# Allegro board meta_carrier_lay_rev1.brd (continued)
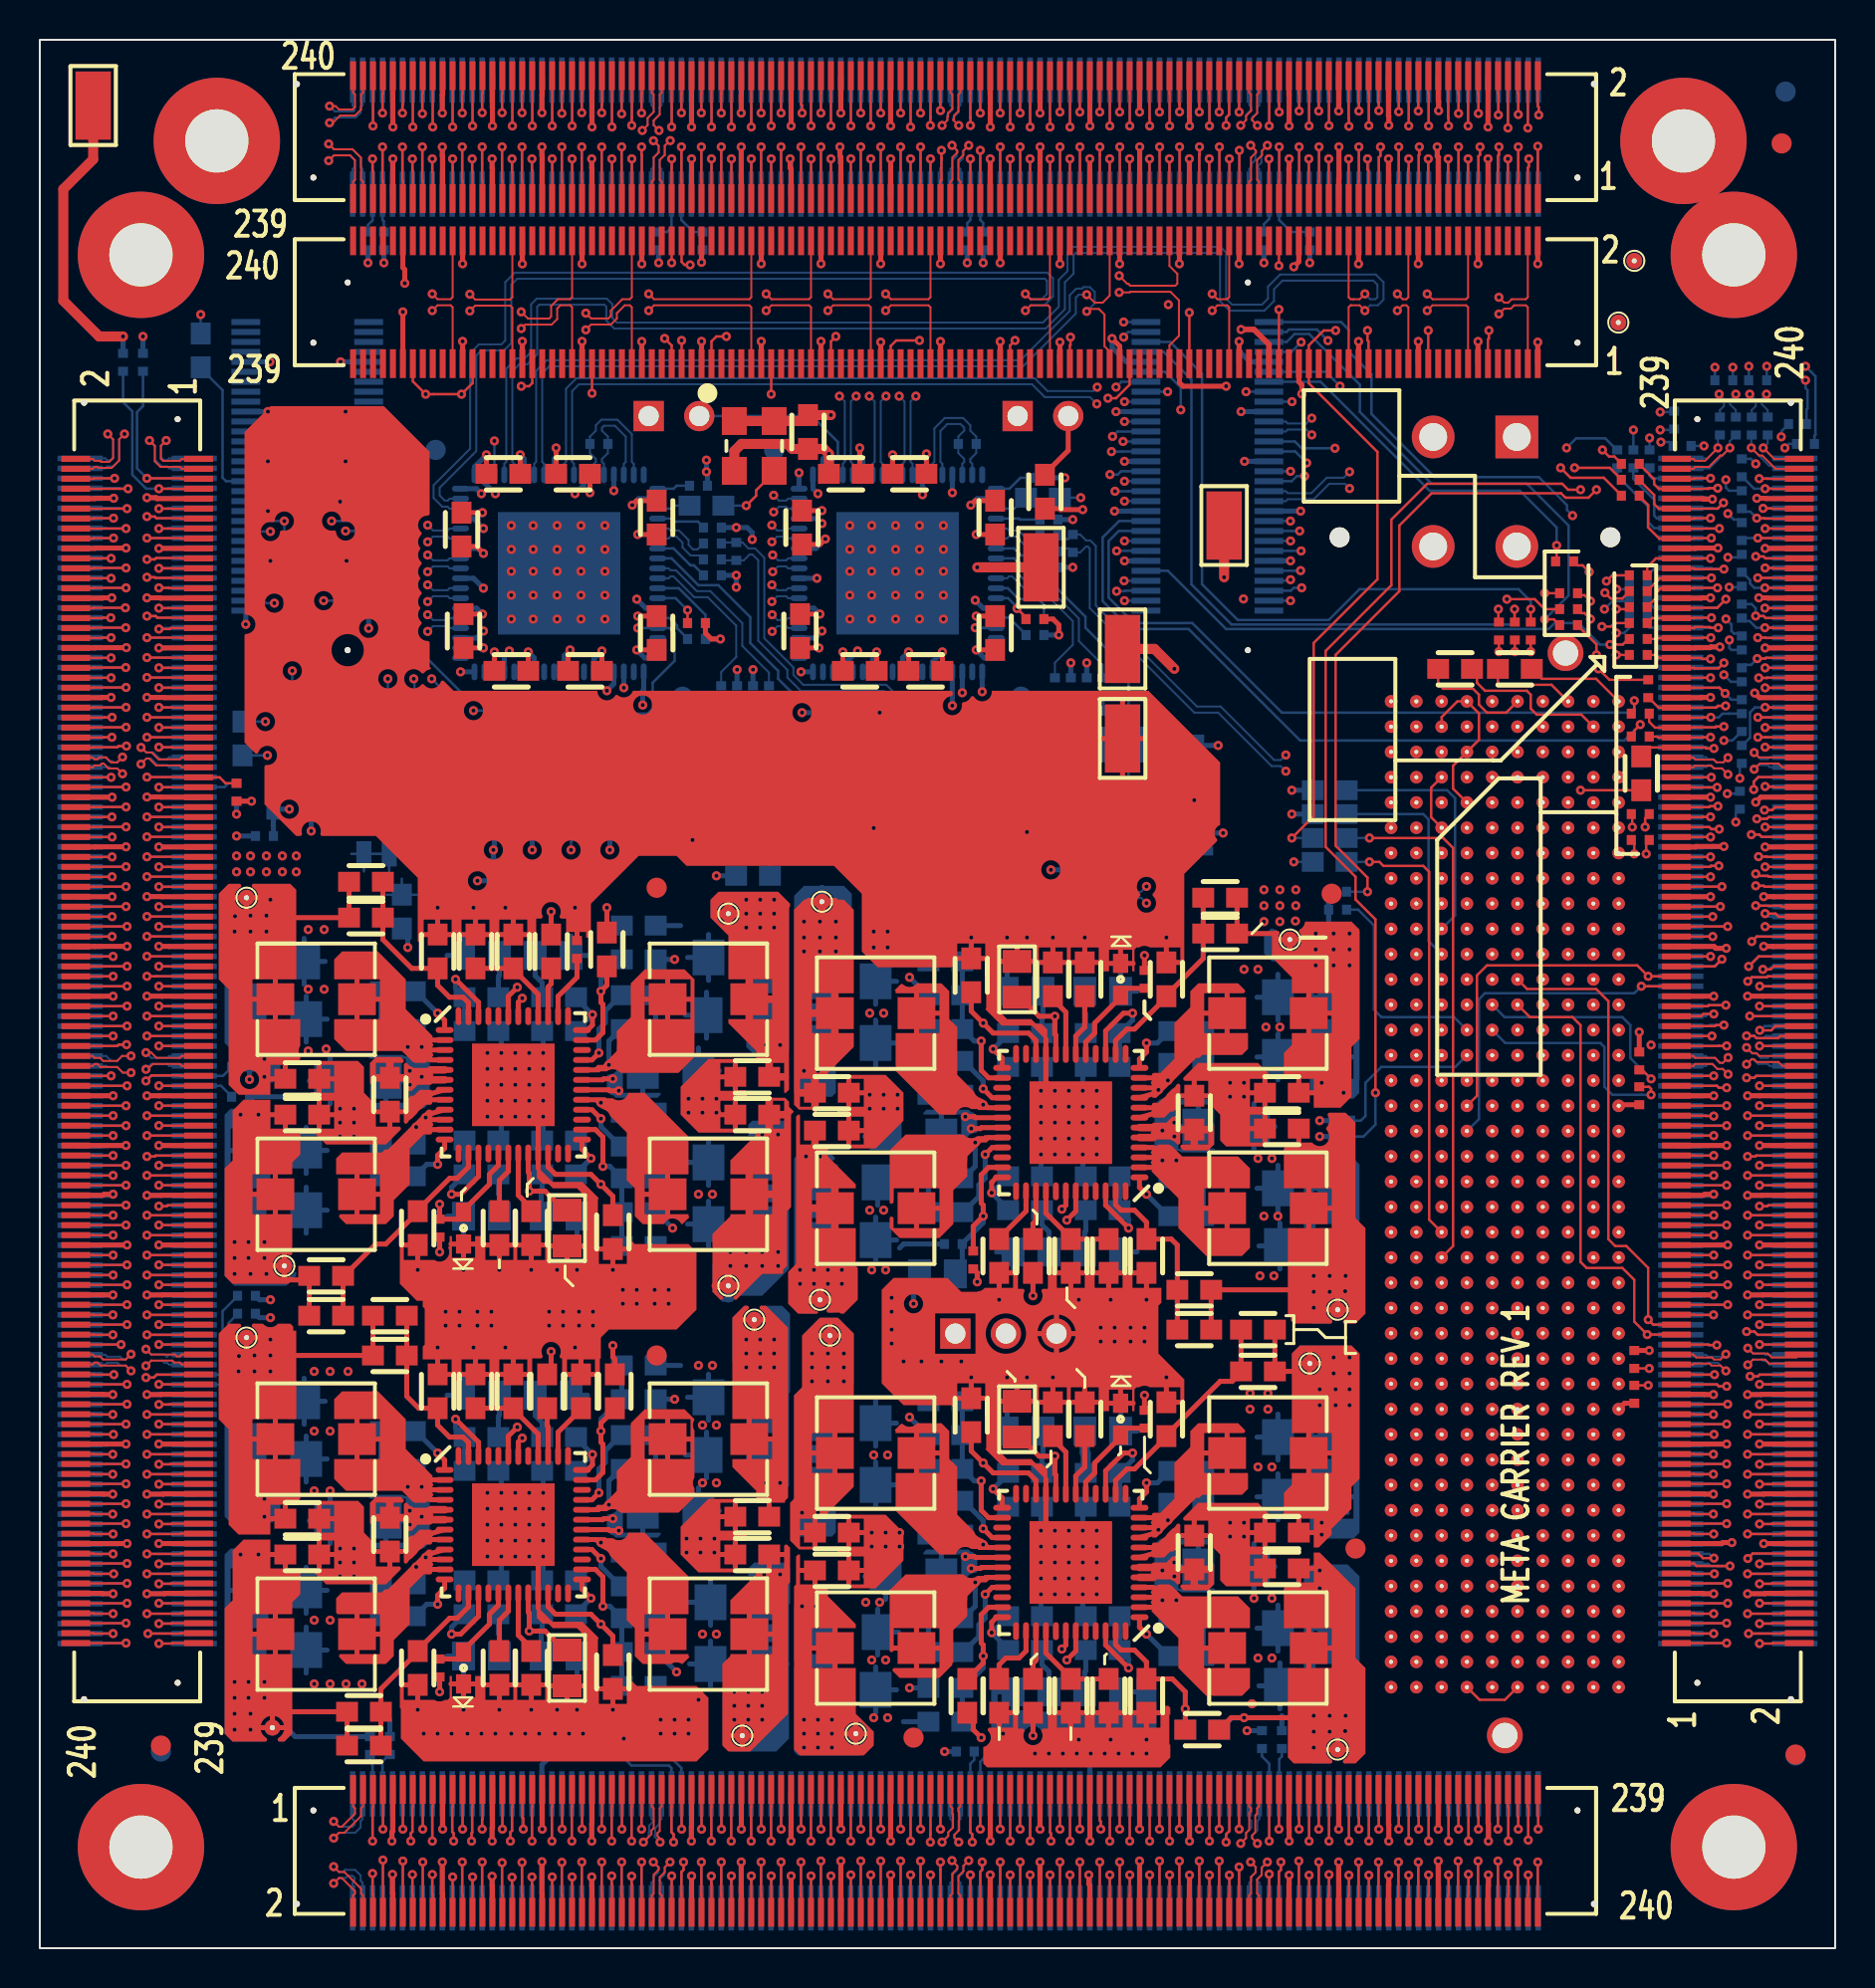
[diagram p0: board, top side]
## Routing (per net, layer and track width the routed paths; a pad name or vN(x,y) marks a point on that pad's centre or on a via; arc(x,y) is an arc through that point) (continued)
SO_DATA_OUT_P14: length 3.5
  TOP w0.127: J5.114 v1(43.73,3.68)
  BOTTOM w0.127: J12.114 43.73,3.33 43.73,3.33 v1(43.73,3.68)
SO_DATA_OUT_P15: length 3.5
  TOP w0.127: J5.118 v1(44.73,3.68)
  BOTTOM w0.127: J12.118 44.73,3.33 44.73,3.33 v1(44.73,3.68)
SO_DATA_OUT_P16: length 4.8
  TOP w0.127: J5.144 v1(51.23,4.33)
  BOTTOM w0.127: v1(51.23,4.33) 51.23,3.33 51.24,3.33 J12.144
SO_DATA_OUT_P17: length 4.8
  TOP w0.127: J5.148 v1(52.23,4.33)
  BOTTOM w0.127: J12.148 52.24,3.33 52.23,3.33 v1(52.23,4.33)
SO_DATA_OUT_P18: length 3.5
  TOP w0.127: J5.154 53.73,2.69 53.74,2.7 v1(53.74,3.68)
  BOTTOM w0.127: J12.154 v1(53.74,3.68)
SO_DATA_OUT_P19: length 3.5
  TOP w0.127: v1(54.74,3.68) 54.74,2.7 54.73,2.69 J5.158
  BOTTOM w0.127: J12.158 v1(54.74,3.68)
SO_DATA_OUT_P20: length 4.9
  TOP w0.127: J5.164 v1(56.23,4.38)
  BOTTOM w0.127: J12.164 56.24,3.33 56.23,3.33 v1(56.23,4.38)
SO_DATA_OUT_P21: length 4.9
  TOP w0.127: J5.168 v1(57.23,4.38)
  BOTTOM w0.127: v1(57.23,4.38) 57.23,3.33 57.24,3.33 J12.168
SO_DATA_OUT_P22: length 3.5
  TOP w0.127: J5.174 58.73,2.69 58.74,2.7 v1(58.74,3.67)
  BOTTOM w0.127: J12.174 v1(58.74,3.67)
SO_DATA_OUT_P23: length 3.5
  TOP w0.127: v1(59.74,3.67) 59.74,2.7 59.73,2.69 J5.178
  BOTTOM w0.127: J12.178 v1(59.74,3.67)
SO_DATA_OUT_P24: length 4.8
  TOP w0.127: J5.204 v1(66.23,4.33)
  BOTTOM w0.127: J12.204 66.25,3.33 66.23,3.34 v1(66.23,4.33)
SO_DATA_OUT_P25: length 4.8
  TOP w0.127: J5.208 v1(67.23,4.33)
  BOTTOM w0.127: J12.208 67.25,3.33 67.23,3.34 v1(67.23,4.33)
SO_DATA_OUT_P26: length 3.5
  TOP w0.127: v1(68.75,3.66) 68.75,2.71 68.73,2.69 J5.214
  BOTTOM w0.127: J12.214 v1(68.75,3.66)
SO_DATA_OUT_P27: length 3.5
  TOP w0.127: 69.73,1.8 69.73,2.69 69.75,2.71 v1(69.75,3.68)
  BOTTOM w0.127: J12.218 v1(69.75,3.68)
SO_DATA_OUT_P28: length 4.9
  TOP w0.127: J5.224 v1(71.23,4.38)
  BOTTOM w0.127: v1(71.23,4.38) 71.23,3.35 71.25,3.33 J12.224
SO_DATA_OUT_P29: length 4.9
  TOP w0.127: J5.228 v1(72.23,4.38)
  BOTTOM w0.127: v1(72.23,4.38) 72.23,3.35 72.25,3.33 J12.228
SO_DATA_OUT_P30: length 3.5
  TOP w0.127: J5.234 73.73,2.69 73.75,2.71 v1(73.75,3.68)
  BOTTOM w0.127: J12.234 v1(73.75,3.68)
SO_DATA_OUT_P31: length 3.5
  TOP w0.127: J5.238 74.73,2.69 74.75,2.71 v1(74.75,3.68)
  BOTTOM w0.127: J12.238 v1(74.75,3.68)
SO_FRAME_IN_N0: length 7
  TOP w0.127: J5.5 16.73,7.09 16.71,7.07 v1(16.71,5.38)
  BOTTOM w0.127: R132.1 16.58,9.34 16.71,9.21 J12.5 v1(16.71,5.38)
SO_FRAME_IN_N1: length 9.2
  TOP w0.127: v1(31.83,5.33) 31.83,5.72 31.72,5.83 31.72,7.08 31.73,7.09 J5.65
  BOTTOM w0.127: v1(31.83,5.33) 31.83,5.72 31.72,5.83 J12.65 31.72,9.05 31.6,9.18 29.71,9.18 29.23,9.66 R112.1
SO_FRAME_IN_N2: length 7.4
  TOP w0.127: J5.125 46.73,5.82 46.83,5.72 v1(46.83,5.33)
  BOTTOM w0.127: v1(46.83,5.33) 46.83,5.72 46.73,5.82 J12.125 46.73,9.27 46.93,9.47 R78.1
SO_FRAME_IN_N3: length 7.4
  TOP w0.127: J5.185 61.73,7.09 61.75,7.08 v1(61.75,5.38)
  BOTTOM w0.127: v1(61.75,5.38) J12.185 61.75,9.27 61.38,9.64 R53.1
SO_FRAME_IN_P0: length 5.9
  TOP w0.127: J5.7 v1(17.23,5.98)
  BOTTOM w0.127: v1(17.23,5.98) 17.23,6.43 17.21,6.45 J12.7 17.21,9.36 17.21,9.36 17.21,9.38 17.56,9.73 R130.2
SO_FRAME_IN_P1: length 7.6
  TOP w0.127: J5.67 v1(32.23,5.98)
  BOTTOM w0.127: R111.2 31.65,9.63 32.22,9.05 J12.67 32.22,6.45 32.23,6.44 v1(32.23,5.98)
SO_FRAME_IN_P2: length 6.1
  TOP w0.127: v1(47.23,5.98) J5.127
  BOTTOM w0.127: v1(47.23,5.98) 47.23,6.45 47.23,6.45 J12.127 47.23,9.36 47.73,9.86 R74.2
SO_FRAME_IN_P3: length 6.1
  TOP w0.127: J5.187 v1(62.23,5.98)
  BOTTOM w0.127: v1(62.23,5.98) 62.23,6.44 62.25,6.45 J12.187 62.25,9.5 62.38,9.64 R51.2
SO_FRAME_OUT_N0: length 3.7
  TOP w0.127: J5.6 16.73,2.69 16.71,2.71 v1(16.71,3.75)
  BOTTOM w0.127: J12.6 v1(16.71,3.75)
SO_FRAME_OUT_N1: length 3.4
  TOP w0.127: J5.66 v1(31.73,3.63)
  BOTTOM w0.127: J12.66 31.72,3.33 31.73,3.34 v1(31.73,3.63)
SO_FRAME_OUT_N2: length 3.5
  TOP w0.127: J5.126 v1(46.73,3.68)
  BOTTOM w0.127: J12.126 46.73,3.33 46.73,3.33 v1(46.73,3.68)
SO_FRAME_OUT_N3: length 3.6
  TOP w0.127: v1(61.75,3.72) 61.75,2.7 61.73,2.69 J5.186
  BOTTOM w0.127: J12.186 v1(61.75,3.72)
SO_FRAME_OUT_P0: length 5
  TOP w0.127: v1(17.23,4.43) J5.8
  BOTTOM w0.127: v1(17.23,4.43) 17.23,4.04 17.21,4.01 J12.8
SO_FRAME_OUT_P1: length 4.9
  TOP w0.127: J5.68 32.23,2.69 32.22,2.7 32.22,3.83 32.33,3.94 v1(32.33,4.33)
  BOTTOM w0.127: v1(32.33,4.33) 32.33,3.94 32.22,3.83 J12.68
SO_FRAME_OUT_P2: length 4.9
  TOP w0.127: v1(47.33,4.33) 47.33,3.94 47.23,3.84 J5.128
  BOTTOM w0.127: v1(47.33,4.33) 47.33,3.94 47.23,3.84 J12.128
SO_FRAME_OUT_P3: length 4.9
  TOP w0.127: J5.188 62.23,3.84 62.33,3.94 v1(62.33,4.33)
  BOTTOM w0.127: J12.188 62.25,3.33 62.23,3.34 62.23,3.84 62.33,3.94 v1(62.33,4.33)
SO_LCLK_IN_N0: length 5.5
  TOP w0.102: v1(14.76,6.37) 15.03,6.1 15.17,6.1 15.83,6.77 15.83,7.03 15.73,7.13 J5.1
  BOTTOM w0.102: v1(14.76,6.37) 15.03,6.1 15.71,6.1 15.81,6.21 15.81,6.39 15.71,6.49 J12.1
SO_LCLK_IN_N1: length 5.6
  TOP w0.102: v1(30.31,5.33) 30.72,5.73 30.72,5.91 30.83,6.02 30.83,7.03 30.73,7.13 J5.61
  BOTTOM w0.102: J12.61 30.72,6.49 30.82,6.39 30.82,6.38 30.6,6.16 30.6,5.82 30.58,5.8 30.58,5.6 v1(30.31,5.33)
SO_LCLK_IN_N2: length 5.6
  TOP w0.102: J5.121 45.73,7.13 45.83,7.03 45.83,6.76 45.86,6.73 45.86,6.06 45.63,5.82 45.63,5.64 v1(45.31,5.33)
  BOTTOM w0.102: v1(45.31,5.33) 45.62,5.64 45.62,5.83 45.83,6.04 45.83,6.39 45.73,6.49 J12.121
SO_LCLK_IN_N3: length 5.7
  TOP w0.102: J5.181 60.73,7.13 60.83,7.03 60.83,6.89 60.74,6.8 60.74,5.95 60.58,5.79 60.58,5.53 v1(60.31,5.26)
  BOTTOM w0.102: J12.181 60.75,6.49 60.84,6.39 60.84,6.05 60.58,5.79 60.58,5.53 v1(60.31,5.26)
SO_LCLK_IN_P0: length 6.5
  TOP w0.102: J5.3 16.23,7.13 16.14,7.03 16.14,6.64 15.3,5.8 15.03,5.8 v1(14.76,5.53)
  BOTTOM w0.102: v1(14.76,5.53) 15.03,5.8 15.83,5.8 16.11,6.08 16.11,6.39 16.21,6.49 J12.3
SO_LCLK_IN_P1: length 5.5
  TOP w0.102: v1(31.15,5.33) 31.15,5.51 31.02,5.64 31.02,5.78 31.14,5.9 31.14,7.03 31.23,7.13 J5.63
  BOTTOM w0.102: v1(31.15,5.33) 30.88,5.6 30.88,5.67 30.91,5.7 30.91,6.03 31.12,6.25 31.12,6.39 31.22,6.49 J12.63
SO_LCLK_IN_P2: length 5.5
  TOP w0.102: v1(46.15,5.33) 45.93,5.55 45.93,5.69 46.17,5.93 46.17,6.85 46.14,6.89 46.14,7.03 46.23,7.13 J5.123
  BOTTOM w0.102: J12.123 46.23,6.49 46.14,6.39 46.14,5.91 45.92,5.7 45.92,5.56 v1(46.15,5.33)
SO_LCLK_IN_P3: length 5.7
  TOP w0.102: J5.183 61.23,7.13 61.14,7.03 61.14,6.76 61.05,6.67 61.05,5.82 60.88,5.66 60.88,5.53 v1(61.15,5.26)
  BOTTOM w0.102: v1(61.15,5.26) 60.88,5.53 60.88,5.66 61.15,5.92 61.15,6.39 61.24,6.49 J12.183
SO_LCLK_OUT_N0: length 5.3
  TOP w0.102: v1(14.76,3.26) 15.03,3.53 15.17,3.53 15.83,2.86 15.83,2.75 15.73,2.65 J5.2
  BOTTOM w0.102: v1(14.76,3.26) 15.03,3.53 15.35,3.53 15.46,3.63 15.71,3.63 15.81,3.53 15.81,3.39 15.71,3.29 J12.2
SO_LCLK_OUT_N1: length 5.3
  TOP w0.102: J5.62 30.73,2.65 30.83,2.75 30.83,3.7 31.08,3.95 31.08,4.06 v1(30.81,4.33)
  BOTTOM w0.102: v1(30.81,4.33) 31.08,4.06 31.08,3.95 31.05,3.91 31.05,3.81 30.82,3.58 30.82,3.39 30.72,3.29 J12.62
SO_LCLK_OUT_N2: length 5.5
  TOP w0.102: v1(45.81,4.4) 46.08,4.13 46.08,4 45.83,3.75 45.83,2.75 45.73,2.65 J5.122
  BOTTOM w0.102: v1(45.81,4.4) 46.08,4.13 46.08,4 46.05,3.96 46.05,3.9 45.83,3.68 45.83,3.39 45.73,3.29 J12.122
SO_LCLK_OUT_N3: length 5.3
  TOP w0.102: J5.182 60.73,2.65 60.83,2.75 60.83,3.58 61.06,3.81 61.06,4.08 v1(60.81,4.33)
  BOTTOM w0.102: v1(60.81,4.33) 61.08,4.06 61.08,4.02 61.06,4 61.06,3.8 60.84,3.58 60.84,3.39 60.75,3.29 J12.182
SO_LCLK_OUT_P0: length 6.4
  TOP w0.102: J5.4 16.23,2.65 16.14,2.75 16.14,2.99 15.3,3.83 15.03,3.83 v1(14.76,4.1)
  BOTTOM w0.102: J12.4 16.21,3.29 16.11,3.39 16.11,3.66 15.83,3.94 15.33,3.94 15.23,3.83 15.03,3.83 v1(14.76,4.1)
SO_LCLK_OUT_P1: length 5.3
  TOP w0.102: J5.64 31.23,2.65 31.14,2.75 31.14,3.57 31.38,3.82 31.38,4.06 v1(31.65,4.33)
  BOTTOM w0.102: v1(31.65,4.33) 31.38,4.06 31.38,3.82 31.35,3.79 31.35,3.68 31.12,3.45 31.12,3.39 31.22,3.29 J12.64
SO_LCLK_OUT_P2: length 5.5
  TOP w0.102: v1(46.65,4.4) 46.38,4.13 46.38,3.87 46.14,3.62 46.14,2.75 46.23,2.65 J5.124
  BOTTOM w0.102: J12.124 46.23,3.29 46.14,3.39 46.14,3.56 46.35,3.77 46.35,3.84 46.38,3.87 46.38,4.13 v1(46.65,4.4)
SO_LCLK_OUT_P3: length 5.3
  TOP w0.102: v1(61.65,4.33) 61.36,4.04 61.36,3.68 61.14,3.45 61.14,2.75 61.23,2.65 J5.184
  BOTTOM w0.102: v1(61.65,4.33) 61.38,4.06 61.38,3.9 61.36,3.88 61.36,3.67 61.15,3.45 61.15,3.39 61.24,3.29 J12.184
SO_WAIT_RD_IN_N0: length 4.8
  TOP w0.127: J5.16 v1(19.23,4.33)
  BOTTOM w0.127: J12.16 19.21,3.33 19.23,3.35 v1(19.23,4.33)
SO_WAIT_RD_IN_N1: length 4.8
  TOP w0.127: v1(34.22,4.33) 34.22,2.7 34.23,2.69 J5.76
  BOTTOM w0.127: J12.76 v1(34.22,4.33)
SO_WAIT_RD_IN_N2: length 4.8
  TOP w0.127: v1(49.24,4.33) 49.24,2.69 49.23,2.69 J5.136
  BOTTOM w0.127: J12.136 v1(49.24,4.33)
SO_WAIT_RD_IN_N3: length 4.8
  TOP w0.127: J5.196 v1(64.23,4.33)
  BOTTOM w0.127: v1(64.23,4.33) 64.23,3.34 64.25,3.33 J12.196
SO_WAIT_RD_IN_P0: length 3.6
  TOP w0.127: v1(19.71,3.7) 19.71,2.71 19.73,2.69 J5.18
  BOTTOM w0.127: J12.18 v1(19.71,3.7)
SO_WAIT_RD_IN_P1: length 3.4
  TOP w0.127: J5.78 v1(34.73,3.63)
  BOTTOM w0.127: v1(34.73,3.63) 34.73,3.33 34.73,3.33 J12.78
SO_WAIT_RD_IN_P2: length 3.5
  TOP w0.127: J5.138 49.73,2.69 49.74,2.69 v1(49.74,3.68)
  BOTTOM w0.127: J12.138 v1(49.74,3.68)
SO_WAIT_RD_IN_P3: length 3.6
  TOP w0.127: J5.198 64.73,2.69 64.75,2.71 v1(64.75,3.69)
  BOTTOM w0.127: J12.198 v1(64.75,3.69)
SO_WAIT_RD_OUT_N0: length 3.8
  TOP w0.127: J5.15 v1(19.23,5.98)
  BOTTOM w0.127: v1(19.23,5.98) 19.23,6.43 19.21,6.45 J12.15
SO_WAIT_RD_OUT_N1: length 3.8
  TOP w0.127: J5.75 v1(34.23,5.98)
  BOTTOM w0.127: v1(34.23,5.98) 34.23,6.44 34.22,6.45 J12.75
SO_WAIT_RD_OUT_N2: length 3.8
  TOP w0.127: J5.135 v1(49.23,5.98)
  BOTTOM w0.127: v1(49.23,5.98) 49.23,6.45 49.24,6.45 J12.135
SO_WAIT_RD_OUT_N3: length 3.8
  TOP w0.127: J5.195 v1(64.23,5.98)
  BOTTOM w0.127: J12.195 64.25,6.45 64.23,6.44 v1(64.23,5.98)
SO_WAIT_RD_OUT_P0: length 5
  TOP w0.127: v1(19.71,5.38) 19.71,7.07 19.73,7.09 J5.17
  BOTTOM w0.127: J12.17 v1(19.71,5.38)
SO_WAIT_RD_OUT_P1: length 5
  TOP w0.127: v1(34.73,5.38) 34.73,7.08 34.73,7.09 J5.77
  BOTTOM w0.127: J12.77 v1(34.73,5.38)
SO_WAIT_RD_OUT_P2: length 5
  TOP w0.127: J5.137 49.73,7.09 49.74,7.09 v1(49.74,5.38)
  BOTTOM w0.127: J12.137 v1(49.74,5.38)
SO_WAIT_RD_OUT_P3: length 5
  TOP w0.127: v1(64.75,5.38) 64.75,7.07 64.73,7.09 J5.197
  BOTTOM w0.127: J12.197 v1(64.75,5.38)
SO_WAIT_WR_IN_N0: length 4.9
  TOP w0.127: J5.12 v1(18.23,4.38)
  BOTTOM w0.127: J12.12 18.21,3.97 18.23,3.99 v1(18.23,4.38)
SO_WAIT_WR_IN_N1: length 4.8
  TOP w0.127: v1(33.22,4.33) 33.22,2.7 33.23,2.69 J5.72
  BOTTOM w0.127: J12.72 v1(33.22,4.33)
SO_WAIT_WR_IN_N2: length 4.8
  TOP w0.127: J5.132 48.23,2.69 48.24,2.69 v1(48.24,4.33)
  BOTTOM w0.127: J12.132 v1(48.24,4.33)
SO_WAIT_WR_IN_N3: length 4.9
  TOP w0.127: J5.192 v1(63.23,4.38)
  BOTTOM w0.127: J12.192 63.25,3.33 63.23,3.34 v1(63.23,4.38)
SO_WAIT_WR_IN_P0: length 3.6
  TOP w0.127: v1(18.71,3.7) 18.71,2.71 18.73,2.69 J5.14
  BOTTOM w0.127: J12.14 v1(18.71,3.7)
SO_WAIT_WR_IN_P1: length 3.4
  TOP w0.127: v1(33.72,3.62) 33.72,3.23 33.73,3.22 J5.74
  BOTTOM w0.127: v1(33.72,3.62) J12.74
SO_WAIT_WR_IN_P2: length 3.5
  TOP w0.127: J5.134 v1(48.73,3.68)
  BOTTOM w0.127: J12.134 48.73,3.33 48.73,3.33 v1(48.73,3.68)
SO_WAIT_WR_IN_P3: length 3.5
  TOP w0.127: J5.194 63.73,2.69 63.75,2.71 v1(63.75,3.67)
  BOTTOM w0.127: J12.194 v1(63.75,3.67)
SO_WAIT_WR_OUT_N0: length 3.8
  TOP w0.127: J5.11 v1(18.23,5.98)
  BOTTOM w0.127: v1(18.23,5.98) 18.23,6.43 18.21,6.45 J12.11
SO_WAIT_WR_OUT_N1: length 3.8
  TOP w0.127: J5.71 v1(33.23,5.98)
  BOTTOM w0.127: J12.71 33.22,6.45 33.23,6.44 v1(33.23,5.98)
SO_WAIT_WR_OUT_N2: length 3.8
  TOP w0.127: J5.131 v1(48.23,5.98)
  BOTTOM w0.127: v1(48.23,5.98) 48.23,6.45 48.24,6.45 J12.131
SO_WAIT_WR_OUT_N3: length 3.8
  TOP w0.127: J5.191 63.23,6.52 63.25,6.51 v1(63.25,5.98)
  BOTTOM w0.127: v1(63.25,5.98) J12.191
SO_WAIT_WR_OUT_P0: length 5
  TOP w0.127: J5.13 18.73,7.09 18.71,7.07 18.71,5.85 18.63,5.77 v1(18.63,5.38)
  BOTTOM w0.127: J12.13 18.71,5.85 18.63,5.77 v1(18.63,5.38)
SO_WAIT_WR_OUT_P1: length 5
  TOP w0.127: J5.73 33.73,7.09 33.72,7.08 v1(33.72,5.38)
  BOTTOM w0.127: J12.73 v1(33.72,5.38)
SO_WAIT_WR_OUT_P2: length 5
  TOP w0.127: v1(48.73,5.38) 48.73,7.09 48.73,7.09 J5.133
  BOTTOM w0.127: J12.133 v1(48.73,5.38)
SO_WAIT_WR_OUT_P3: length 5
  TOP w0.127: J5.193 63.73,7.09 63.75,7.07 v1(63.75,5.38)
  BOTTOM w0.127: J12.193 v1(63.75,5.38)
SW1_Q1: length 7.6
  TOP w0.254: L1.1 15.93,48.73 ; L1.1 17.13,47.68 ; L1.1 15.93,46.63 ; 19.63,44.63 U2.4 ; 19.63,45.63 U2.2 ; 19.63,45.13 U2.3
  BOTTOM w0.254: v1(19.18,45.28) 19.18,45.88 18.88,46.18 C174.1 18.73,46.18 18.48,45.93 v1(18.48,45.28)
SW1_Q2: length 7.6
  TOP w0.254: L16.1 59.63,16.13 ; L16.1 58.43,15.08 ; L16.1 59.63,14.03 ; U5.2 55.93,17.13 ; U5.4 55.93,18.13 ; U5.3 55.93,17.63
  BOTTOM w0.254: v1(56.38,17.48) 56.38,16.88 56.68,16.58 C86.1 56.83,16.58 57.08,16.83 v1(57.08,17.48)
SW1_Q4: length 7.6
  TOP w0.254: 19.63,23.03 U4.3 ; L9.1 15.93,26.63 ; L9.1 17.13,25.58 ; L9.1 15.93,24.53 ; 19.63,22.53 U4.4 ; 19.63,23.53 U4.2
  BOTTOM w0.254: v1(19.18,23.18) 19.18,23.78 18.88,24.08 C176.1 18.73,24.08 18.48,23.83 v1(18.48,23.18)
SW1_Q8: length 7.6
  TOP w0.254: 59.63,36.13 L8.1 ; L8.1 59.63,38.23 ; L8.1 58.43,37.18 ; U3.3 55.93,39.73 ; U3.4 55.93,40.23 ; U3.2 55.93,39.23
  BOTTOM w0.254: v1(57.08,39.58) 57.08,38.93 56.83,38.68 C84.1 56.68,38.68 56.38,38.98 v1(56.38,39.58)
SW2_Q1: length 7
  TOP w0.254: L5.1 15.93,38.93 ; L5.1 17.13,37.88 ; L5.1 15.93,36.83 ; 19.63,41.63 U2.10 ; 19.63,41.13 U2.11 ; 19.63,41.93 U2.9
  BOTTOM w0.254: C175.1 18.9,40.45 v1(18.9,41.26) v1(19.38,41.74)
SW2_Q2: length 7
  TOP w0.254: L12.1 59.63,25.93 ; L12.1 59.63,23.83 ; L12.1 58.43,24.88 ; U5.11 55.93,21.63 ; U5.10 55.93,21.13 ; U5.9 55.93,20.83
  BOTTOM w0.254: v1(56.18,21.02) v1(56.66,21.5) 56.66,22.31 C85.1
SW2_Q4: length 7
  TOP w0.254: 19.63,19.53 U4.10 ; 19.63,19.83 U4.9 ; 19.63,19.03 U4.11 ; 15.93,14.73 L13.1 ; L13.1 17.13,15.78 ; L13.1 15.93,16.83
  BOTTOM w0.254: v1(19.38,19.64) v1(18.9,19.16) 18.9,18.35 C177.1
SW2_Q8: length 7
  TOP w0.254: L4.1 59.63,48.03 ; L4.1 58.43,46.98 ; L4.1 59.63,45.93 ; U3.9 55.93,42.93 ; U3.11 55.93,43.73 ; U3.10 55.93,43.23
  BOTTOM w0.254: v1(56.18,43.12) v1(56.66,43.6) 56.66,44.41 C83.1
SW3_Q1: length 5.3
  TOP w0.254: U2.29 27.93,42.63 ; 31.53,36.83 L6.1 ; L6.1 31.53,38.93 ; L6.1 30.33,37.88
  BOTTOM w0.254: v1(28.18,42.48) 28.63,42.48 29.13,41.98 C153.1
SW3_Q2: length 5.3
  TOP w0.254: 44.03,23.83 L11.1 ; L11.1 44.03,25.93 ; L11.1 45.23,24.88 ; 47.63,20.13 U5.29
  BOTTOM w0.254: v1(47.38,20.28) 46.93,20.28 46.43,20.78 C117.1
SW3_Q4: length 5.3
  TOP w0.254: 31.53,14.73 L14.1 ; L14.1 31.53,16.83 ; L14.1 30.33,15.78 ; U4.29 27.93,20.53
  BOTTOM w0.254: C156.1 29.13,19.88 28.63,20.38 v1(28.18,20.38)
SW3_Q8: length 5.3
  TOP w0.254: L3.1 45.23,46.98 ; L3.1 44.03,45.93 ; L3.1 44.03,48.03 ; 47.63,42.23 U3.29
  BOTTOM w0.254: v1(47.38,42.38) 46.93,42.38 46.43,42.88 C114.1
SW4_Q1: length 7.3
  TOP w0.254: U2.32 27.93,44.13 ; 31.53,46.63 L2.1 ; L2.1 32.73,47.68 ; L2.1 30.33,47.68 ; L2.1 31.53,48.73
  BOTTOM w0.254: v1(28.58,44.38) 28.58,45.58 29.18,46.18 C152.1
SW4_Q2: length 7.3
  TOP w0.254: 42.83,15.08 L15.1 ; L15.1 45.23,15.08 ; L15.1 44.03,14.03 ; L15.1 44.03,16.13 ; 47.63,18.63 U5.32
  BOTTOM w0.254: v1(46.98,18.38) 46.98,17.18 46.38,16.58 C118.1
SW4_Q4: length 7.3
  TOP w0.254: U4.32 27.93,22.03 ; 31.53,24.53 L10.1 ; L10.1 32.73,25.58 ; L10.1 30.33,25.58 ; L10.1 31.53,26.63
  BOTTOM w0.254: v1(28.58,22.28) 28.58,23.48 29.18,24.08 C155.1
SW4_Q8: length 6.1
  TOP w0.254: 44.03,36.13 L7.1 ; L7.1 44.03,38.23 ; L7.1 45.23,37.18 ; 47.63,40.73 U3.32
  BOTTOM w0.254: C115.1 46.38,38.68 46.98,39.28 v1(46.98,40.48)
VFB1_Q1: length 9.7
  TOP w0.254: R6.1 C20.2 17.23,50.68 18.68,49.23 R9.1 19.98,48.38 20.58,47.78 21.26,47.78 21.53,47.51 U2.47
VFB1_Q2: length 8.6
  TOP w0.254: U5.47 54.03,15.25 54.3,14.98 54.98,14.98 55.58,14.38 R40.1 56.88,13.53 57.53,12.88 v1(57.53,12.03) C70.2
  BOTTOM w0.254: C70.2 v1(57.53,12.03)
VFB1_Q4: length 9.3
  TOP w0.254: U4.47 21.53,25.41 21.26,25.68 20.58,25.68 19.98,26.28 R28.1 19.03,27.13 18.43,27.73 C45.2 R24.1
VFB1_Q8: length 9.4
  TOP w0.254: R25.1 C44.2 57.13,35.33 56.83,35.63 R21.1 55.58,36.48 54.98,37.08 54.3,37.08 54.03,37.35 U3.47
VFB2_Q1: length 11.3
  TOP w0.254: R23.1 C43.2 15.28,33.78 16.88,35.38 17.38,35.38 18.98,36.98 R16.1 18.98,37.08 20.58,38.68 20.96,38.68 21.53,39.25 U2.14
VFB2_Q2: length 11.5
  TOP w0.254: U5.14 54.03,23.51 54.6,24.08 54.98,24.08 56.58,25.68 R34.1 56.58,25.78 59.28,28.48 59.88,28.48 60.38,28.98 ; R26.1 60.33,29.03 60.38,28.98 ; 60.38,28.98 C46.2
VFB2_Q4: length 9.7
  TOP w0.254: U4.14 21.53,17.15 20.96,16.58 20.58,16.58 18.98,14.98 R35.1 18.98,14.88 17.13,13.03 C69.2 R41.1
VFB2_Q8: length 9.9
  TOP w0.254: R7.1 C21.2 58.43,49.73 56.58,47.88 R13.1 56.58,47.78 54.98,46.18 54.6,46.18 54.03,45.61 U3.14
WE_DATA_IN_N0: length 5
  TOP w0.127: J3.21 7.09,69.83 7.07,69.85 5.84,69.85 5.77,69.78 v1(5.38,69.78)
  BOTTOM w0.127: v1(5.38,69.78) 5.77,69.78 5.84,69.85 J15.21
WE_DATA_IN_N1: length 5
  TOP w0.127: J3.25 7.09,68.83 7.07,68.85 5.81,68.85 5.77,68.88 v1(5.38,68.88)
  BOTTOM w0.127: J15.25 5.81,68.85 5.77,68.88 v1(5.38,68.88)
WE_DATA_IN_N2: length 3.8
  TOP w0.127: J3.31 v1(5.98,67.33)
  BOTTOM w0.127: J15.31 6.45,67.35 6.44,67.33 v1(5.98,67.33)
WE_DATA_IN_N3: length 3.8
  TOP w0.127: v1(5.98,66.28) 6.52,66.28 6.57,66.33 J3.35
  BOTTOM w0.127: v1(5.98,66.28) 6.13,66.28 6.18,66.33 7.74,66.33 J15.35
WE_DATA_IN_N4: length 5
  TOP w0.127: J3.41 7.09,64.83 7.07,64.84 v1(5.38,64.84)
  BOTTOM w0.127: J15.41 v1(5.38,64.84)
WE_DATA_IN_N5: length 5
  TOP w0.127: J3.45 7.09,63.83 7.07,63.84 v1(5.38,63.84)
  BOTTOM w0.127: J15.45 v1(5.38,63.84)
WE_DATA_IN_N6: length 3.8
  TOP w0.127: J3.51 6.64,62.33 6.62,62.34 v1(5.98,62.34)
  BOTTOM w0.127: v1(5.98,62.34) J15.51
WE_DATA_IN_N7: length 3.8
  TOP w0.127: J3.55 v1(5.98,61.33)
  BOTTOM w0.127: v1(5.98,61.33) 6.37,61.33 6.39,61.34 J15.55
WE_DATA_IN_N8: length 5
  TOP w0.127: v1(5.38,54.84) 7.08,54.84 7.09,54.83 J3.81
  BOTTOM w0.127: J15.81 v1(5.38,54.84)
WE_DATA_IN_N9: length 5
  TOP w0.127: v1(5.38,53.84) 7.08,53.84 7.09,53.83 J3.85
  BOTTOM w0.127: J15.85 v1(5.38,53.84)
WE_DATA_IN_N10: length 3.8
  TOP w0.127: J3.91 v1(5.98,52.33)
  BOTTOM w0.127: v1(5.98,52.33) 6.45,52.33 6.45,52.34 J15.91
WE_DATA_IN_N11: length 3.8
  TOP w0.127: J3.95 v1(5.98,51.33)
  BOTTOM w0.127: v1(5.98,51.33) 6.45,51.33 6.45,51.34 J15.95
WE_DATA_IN_N12: length 5
  TOP w0.127: v1(5.38,49.83) 7.08,49.83 7.09,49.83 J3.101
  BOTTOM w0.127: J15.101 v1(5.38,49.83)
WE_DATA_IN_N13: length 5
  TOP w0.127: v1(5.38,48.83) 5.87,48.83 5.87,48.83 7.09,48.83 7.09,48.83 J3.105
  BOTTOM w0.127: v1(5.38,48.83) 5.87,48.83 5.87,48.83 J15.105
WE_DATA_IN_N14: length 3.8
  TOP w0.127: J3.111 v1(5.98,47.33)
  BOTTOM w0.127: J15.111 6.45,47.33 6.45,47.33 v1(5.98,47.33)
WE_DATA_IN_N15: length 3.8
  TOP w0.127: J3.115 v1(5.98,46.33)
  BOTTOM w0.127: v1(5.98,46.33) 6.45,46.33 6.45,46.33 J15.115
WE_DATA_IN_N16: length 5
  TOP w0.127: v1(5.38,39.78) 5.77,39.78 5.82,39.83 7.08,39.83 7.09,39.83 J3.141
  BOTTOM w0.127: v1(5.38,39.78) 5.77,39.78 5.82,39.83 J15.141
WE_DATA_IN_N17: length 5
  TOP w0.127: v1(5.38,38.82) 7.08,38.82 7.09,38.83 J3.145
  BOTTOM w0.127: J15.145 v1(5.38,38.82)
WE_DATA_IN_N18: length 3.8
  TOP w0.127: v1(5.98,37.28) 6.37,37.28 6.42,37.33 J3.151
  BOTTOM w0.127: J15.151 6.42,37.32 6.37,37.28 v1(5.98,37.28)
WE_DATA_IN_N19: length 3.8
  TOP w0.127: J3.155 v1(5.98,36.33)
  BOTTOM w0.127: J15.155 6.45,36.32 6.45,36.33 v1(5.98,36.33)
WE_DATA_IN_N20: length 5
  TOP w0.127: v1(5.38,34.82) 7.08,34.82 7.09,34.83 J3.161
  BOTTOM w0.127: J15.161 v1(5.38,34.82)
WE_DATA_IN_N21: length 5
  TOP w0.127: J3.165 7.09,33.83 7.08,33.82 v1(5.38,33.82)
  BOTTOM w0.127: J15.165 v1(5.38,33.82)
WE_DATA_IN_N22: length 3.8
  TOP w0.127: J3.171 v1(5.98,32.33)
  BOTTOM w0.127: J15.171 6.45,32.32 6.44,32.33 v1(5.98,32.33)
WE_DATA_IN_N23: length 3.8
  TOP w0.127: J3.175 v1(5.98,31.33)
  BOTTOM w0.127: v1(5.98,31.33) 6.44,31.33 6.45,31.32 J15.175
WE_DATA_IN_N24: length 5
  TOP w0.127: J3.201 7.09,24.83 7.07,24.82 v1(5.38,24.82)
  BOTTOM w0.127: J15.201 v1(5.38,24.82)
WE_DATA_IN_N25: length 5
  TOP w0.127: J3.205 7.09,23.83 7.07,23.81 v1(5.38,23.81)
  BOTTOM w0.127: J15.205 v1(5.38,23.81)
WE_DATA_IN_N26: length 3.8
  TOP w0.127: J3.211 6.66,22.33 6.64,22.31 v1(5.98,22.31)
  BOTTOM w0.127: v1(5.98,22.31) J15.211
WE_DATA_IN_N27: length 3.8
  TOP w0.127: v1(5.98,21.31) 6.61,21.31 6.62,21.33 J3.215
  BOTTOM w0.127: v1(5.98,21.31) J15.215
WE_DATA_IN_N28: length 5
  TOP w0.127: v1(5.38,19.81) 7.07,19.81 7.09,19.83 J3.221
  BOTTOM w0.127: J15.221 v1(5.38,19.81)
WE_DATA_IN_N29: length 5
  TOP w0.127: J3.225 7.09,18.83 7.07,18.81 v1(5.38,18.81)
  BOTTOM w0.127: J15.225 v1(5.38,18.81)
WE_DATA_IN_N30: length 3.8
  TOP w0.127: J3.231 v1(5.98,17.33)
  BOTTOM w0.127: J15.231 6.45,17.31 6.43,17.33 v1(5.98,17.33)
WE_DATA_IN_N31: length 3.8
  TOP w0.127: v1(5.98,16.31) 6.6,16.31 6.62,16.33 J3.235
  BOTTOM w0.127: v1(5.98,16.31) J15.235
WE_DATA_IN_P0: length 3.8
  TOP w0.127: J3.23 v1(5.98,69.33)
  BOTTOM w0.127: J15.23 6.15,69.35 6.13,69.33 v1(5.98,69.33)
WE_DATA_IN_P1: length 3.8
  TOP w0.127: v1(5.98,68.35) 6.47,68.35 6.49,68.33 J3.27
  BOTTOM w0.127: v1(5.98,68.35) J15.27
WE_DATA_IN_P2: length 5
  TOP w0.127: v1(5.38,66.93) 5.82,66.93 5.91,66.85 7.07,66.85 7.09,66.83 J3.33
  BOTTOM w0.127: v1(5.38,66.93) 5.82,66.93 5.91,66.85 J15.33
WE_DATA_IN_P3: length 5
  TOP w0.127: J3.37 7.09,65.83 7.07,65.85 v1(5.38,65.85)
  BOTTOM w0.127: J15.37 v1(5.38,65.85)
WE_DATA_IN_P4: length 3.8
  TOP w0.127: J3.43 v1(5.98,64.33)
  BOTTOM w0.127: v1(5.98,64.33) 6.44,64.33 6.45,64.34 J15.43
WE_DATA_IN_P5: length 3.8
  TOP w0.127: J3.47 v1(5.98,63.33)
  BOTTOM w0.127: v1(5.98,63.33) 6.44,63.33 6.45,63.34 J15.47
WE_DATA_IN_P6: length 5
  TOP w0.127: v1(5.38,61.84) 7.08,61.84 7.09,61.83 J3.53
  BOTTOM w0.127: J15.53 v1(5.38,61.84)
WE_DATA_IN_P7: length 5
  TOP w0.127: J3.57 7.09,60.83 7.08,60.84 v1(5.38,60.84)
  BOTTOM w0.127: J15.57 v1(5.38,60.84)
WE_DATA_IN_P8: length 3.8
  TOP w0.127: J3.83 v1(5.98,54.33)
  BOTTOM w0.127: J15.83 6.45,54.34 6.45,54.33 v1(5.98,54.33)
WE_DATA_IN_P9: length 3.8
  TOP w0.127: J3.87 v1(5.98,53.33)
  BOTTOM w0.127: J15.87 6.45,53.34 6.45,53.33 v1(5.98,53.33)
WE_DATA_IN_P10: length 5
  TOP w0.127: J3.93 7.09,51.83 7.08,51.83 v1(5.38,51.83)
  BOTTOM w0.127: J15.93 v1(5.38,51.83)
WE_DATA_IN_P11: length 5
  TOP w0.127: J3.97 7.09,50.83 7.08,50.83 v1(5.38,50.83)
  BOTTOM w0.127: J15.97 v1(5.38,50.83)
WE_DATA_IN_P12: length 3.8
  TOP w0.127: J3.103 v1(5.98,49.33)
  BOTTOM w0.127: v1(5.98,49.33) 6.45,49.33 6.45,49.33 J15.103
WE_DATA_IN_P13: length 3.8
  TOP w0.127: J3.107 v1(5.98,48.33)
  BOTTOM w0.127: J15.107 6.45,48.33 6.45,48.33 v1(5.98,48.33)
WE_DATA_IN_P14: length 5
  TOP w0.127: J3.113 7.09,46.83 7.09,46.83 v1(5.38,46.83)
  BOTTOM w0.127: J15.113 v1(5.38,46.83)
WE_DATA_IN_P15: length 5
  TOP w0.127: v1(5.38,45.83) 7.09,45.83 7.09,45.83 J3.117
  BOTTOM w0.127: J15.117 v1(5.38,45.83)
WE_DATA_IN_P16: length 3.8
  TOP w0.127: J3.143 v1(5.98,39.33)
  BOTTOM w0.127: v1(5.98,39.33) 6.45,39.33 6.45,39.33 J15.143
WE_DATA_IN_P17: length 3.8
  TOP w0.127: J3.147 v1(5.98,38.33)
  BOTTOM w0.127: v1(5.98,38.33) 6.45,38.33 6.45,38.33 J15.147
WE_DATA_IN_P18: length 5
  TOP w0.127: J3.153 7.09,36.83 7.08,36.82 v1(5.38,36.82)
  BOTTOM w0.127: J15.153 v1(5.38,36.82)
WE_DATA_IN_P19: length 5
  TOP w0.127: J3.157 7.09,35.83 7.08,35.82 v1(5.38,35.82)
  BOTTOM w0.127: J15.157 v1(5.38,35.82)
WE_DATA_IN_P20: length 3.8
  TOP w0.127: J3.163 v1(5.98,34.33)
  BOTTOM w0.127: v1(5.98,34.33) 6.45,34.33 6.45,34.32 J15.163
WE_DATA_IN_P21: length 3.8
  TOP w0.127: J3.167 v1(5.98,33.33)
  BOTTOM w0.127: v1(5.98,33.33) 6.45,33.33 6.45,33.32 J15.167
WE_DATA_IN_P22: length 5
  TOP w0.127: J3.173 7.09,31.83 7.08,31.82 v1(5.38,31.82)
  BOTTOM w0.127: J15.173 v1(5.38,31.82)
WE_DATA_IN_P23: length 5
  TOP w0.127: v1(5.38,30.82) 7.08,30.82 7.09,30.83 J3.177
  BOTTOM w0.127: J15.177 v1(5.38,30.82)
WE_DATA_IN_P24: length 3.8
  TOP w0.127: J3.203 6.56,24.33 6.54,24.31 v1(5.98,24.31)
  BOTTOM w0.127: v1(5.98,24.31) J15.203
WE_DATA_IN_P25: length 3.8
  TOP w0.127: J3.207 6.66,23.33 6.64,23.31 v1(5.98,23.31)
  BOTTOM w0.127: v1(5.98,23.31) J15.207
WE_DATA_IN_P26: length 5
  TOP w0.127: J3.213 7.09,21.83 7.07,21.81 v1(5.38,21.81)
  BOTTOM w0.127: J15.213 v1(5.38,21.81)
WE_DATA_IN_P27: length 5
  TOP w0.127: J3.217 7.09,20.83 7.07,20.81 v1(5.38,20.81)
  BOTTOM w0.127: J15.217 v1(5.38,20.81)
WE_DATA_IN_P28: length 3.8
  TOP w0.127: v1(5.98,19.31) 6.64,19.31 6.66,19.33 J3.223
  BOTTOM w0.127: v1(5.98,19.31) J15.223
WE_DATA_IN_P29: length 3.8
  TOP w0.127: v1(5.98,18.31) 6.57,18.31 6.59,18.33 J3.227
  BOTTOM w0.127: v1(5.98,18.31) J15.227
WE_DATA_IN_P30: length 5
  TOP w0.127: v1(5.38,16.81) 7.07,16.81 7.09,16.83 J3.233